# KiCad board badge.kicad_pcb (continued)
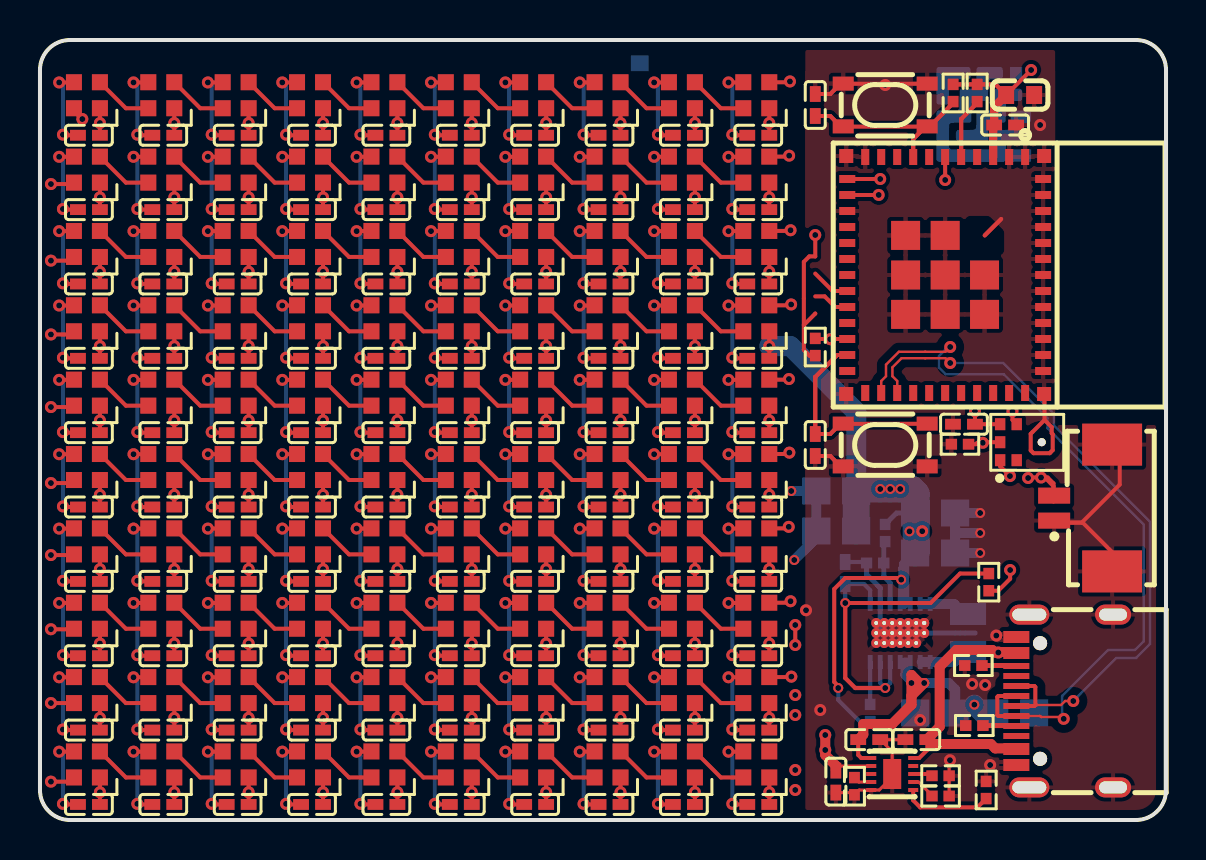
[diagram p0: board, top side]
## Library data of the parts (continued)
C113 = -: Datasheet: https://www.lcsc.com/datasheet/lcsc_datasheet_2304140030_Samsung-Electro-Mechanics-CL05A105KA5NQNC_C52923.pdf; __atopile_lib_fp_hash__: 77ce5adf-3702-77eb-5a03-81a966899838; LCSC: C52923; Manufacturer: Samsung Electro-Mechanics; Partnumber: CL05A105KA5NQNC; PARAM_capacitance: {"type": "Quantity_Interval_Disjoint", "data": {"intervals": {"type": "Numeric_Interval_Disjoint", "data": {"intervals": [{"type": "Numeric_Interval", "data": {"min": 8.99999999e-07, "max": 1.100000001e-06}}]}}, "unit": "farad"}}; PARAM_max_voltage: {"type": "Quantity_Set_Discrete", "data": {"intervals": {"type": "Numeric_Interval_Disjoint", "data": {"intervals": [{"type": "Numeric_Interval", "data": {"min": 25.0, "max": 25.0}}]}}, "unit": "volt"}}; PARAM_temperature_coefficient: {"type": "EnumSet", "data": {"elements": [{"name": "X5R"}], "enum": {"name": "TemperatureCoefficient", "values": {"Y5V": 1, "Z5U": 2, "X7S": 3, "X5R": 4, "X6R": 5, "X7R": 6, "X8R": 7, "C0G": 8}}}}; atopile_address: charger.battery_cap; atopile_subaddresses: [.ato/modules/atopile/ti-bq25185/layouts/default/default.kicad_pcb:battery_cap]
C114 = -: Datasheet: https://www.lcsc.com/datasheet/lcsc_datasheet_2304140030_Samsung-Electro-Mechanics-CL05A105KA5NQNC_C52923.pdf; __atopile_lib_fp_hash__: 77ce5adf-3702-77eb-5a03-81a966899838; LCSC: C52923; Manufacturer: Samsung Electro-Mechanics; Partnumber: CL05A105KA5NQNC; PARAM_capacitance: {"type": "Quantity_Interval_Disjoint", "data": {"intervals": {"type": "Numeric_Interval_Disjoint", "data": {"intervals": [{"type": "Numeric_Interval", "data": {"min": 8.99999999e-07, "max": 1.100000001e-06}}]}}, "unit": "farad"}}; PARAM_max_voltage: {"type": "Quantity_Set_Discrete", "data": {"intervals": {"type": "Numeric_Interval_Disjoint", "data": {"intervals": [{"type": "Numeric_Interval", "data": {"min": 25.0, "max": 25.0}}]}}, "unit": "volt"}}; PARAM_temperature_coefficient: {"type": "EnumSet", "data": {"elements": [{"name": "X5R"}], "enum": {"name": "TemperatureCoefficient", "values": {"Y5V": 1, "Z5U": 2, "X7S": 3, "X5R": 4, "X6R": 5, "X7R": 6, "X8R": 7, "C0G": 8}}}}; atopile_address: charger.input_cap; atopile_subaddresses: [.ato/modules/atopile/ti-bq25185/layouts/default/default.kicad_pcb:input_cap]
C115 = -: Datasheet: https://wmsc.lcsc.com/wmsc/upload/file/pdf/v2/lcsc/2304140030_Murata-Electronics-GRM155R60J106ME44D_C76991.pdf; __atopile_lib_fp_hash__: 58377736-d73b-0a6e-c11e-f0da797e5268; LCSC: C76991; Manufacturer: Murata Electronics; Partnumber: GRM155R60J106ME44D; PARAM_capacitance: {"type": "Quantity_Interval_Disjoint", "data": {"intervals": {"type": "Numeric_Interval_Disjoint", "data": {"intervals": [{"type": "Numeric_Interval", "data": {"min": 7.99999997e-06, "max": 1.200000003e-05}}]}}, "unit": "farad"}}; PARAM_max_voltage: {"type": "Quantity_Set_Discrete", "data": {"intervals": {"type": "Numeric_Interval_Disjoint", "data": {"intervals": [{"type": "Numeric_Interval", "data": {"min": 6.3, "max": 6.3}}]}}, "unit": "volt"}}; PARAM_temperature_coefficient: {"type": "EnumSet", "data": {"elements": [{"name": "X5R"}], "enum": {"name": "TemperatureCoefficient", "values": {"Y5V": 1, "Z5U": 2, "X7S": 3, "X5R": 4, "X6R": 5, "X7R": 6, "X8R": 7, "C0G": 8}}}}; atopile_address: charger.system_cap; atopile_subaddresses: [.ato/modules/atopile/ti-bq25185/layouts/default/default.kicad_pcb:system_cap]
L1 = -: __atopile_lib_fp_hash__: 7ec625f6-3ec7-39f5-ea08-01eadb43cb18; LCSC: C98349; Manufacturer: Sunlord; Partnumber: WPN252012H1R5MT; atopile_address: buck_boost.inductor; atopile_subaddresses: [.ato/modules/atopile/ti-tps63020/layouts/default/default.kicad_pcb:inductor]
LED1 = -: __atopile_lib_fp_hash__: 4bb41053-2596-2733-2332-40ea85995d12; LCSC: C2890036; Manufacturer: OPSCO; Partnumber: SK6805-EC20; atopile_address: led_grid.rows[0].leds[0].package; atopile_subaddresses: [.ato/modules/atopile/addressable-leds/layouts/default/default.kicad_pcb:package, layouts/grid10x10/grid10x10.kicad_pcb:rows[0].leds[0].package, layouts/strip10/strip10.kicad_pcb:leds[0].package]
LED2 = -: __atopile_lib_fp_hash__: 4bb41053-2596-2733-2332-40ea85995d12; LCSC: C2890036; Manufacturer: OPSCO; Partnumber: SK6805-EC20; atopile_address: led_grid.rows[0].leds[1].package; atopile_subaddresses: [.ato/modules/atopile/addressable-leds/layouts/default/default.kicad_pcb:package, layouts/grid10x10/grid10x10.kicad_pcb:rows[0].leds[1].package, layouts/strip10/strip10.kicad_pcb:leds[1].package]
LED3 = -: __atopile_lib_fp_hash__: 4bb41053-2596-2733-2332-40ea85995d12; LCSC: C2890036; Manufacturer: OPSCO; Partnumber: SK6805-EC20; atopile_address: led_grid.rows[0].leds[2].package; atopile_subaddresses: [.ato/modules/atopile/addressable-leds/layouts/default/default.kicad_pcb:package, layouts/grid10x10/grid10x10.kicad_pcb:rows[0].leds[2].package, layouts/strip10/strip10.kicad_pcb:leds[2].package]
LED4 = -: __atopile_lib_fp_hash__: 4bb41053-2596-2733-2332-40ea85995d12; LCSC: C2890036; Manufacturer: OPSCO; Partnumber: SK6805-EC20; atopile_address: led_grid.rows[0].leds[3].package; atopile_subaddresses: [.ato/modules/atopile/addressable-leds/layouts/default/default.kicad_pcb:package, layouts/grid10x10/grid10x10.kicad_pcb:rows[0].leds[3].package, layouts/strip10/strip10.kicad_pcb:leds[3].package]
LED5 = -: __atopile_lib_fp_hash__: 4bb41053-2596-2733-2332-40ea85995d12; LCSC: C2890036; Manufacturer: OPSCO; Partnumber: SK6805-EC20; atopile_address: led_grid.rows[0].leds[4].package; atopile_subaddresses: [.ato/modules/atopile/addressable-leds/layouts/default/default.kicad_pcb:package, layouts/grid10x10/grid10x10.kicad_pcb:rows[0].leds[4].package, layouts/strip10/strip10.kicad_pcb:leds[4].package]
LED6 = -: __atopile_lib_fp_hash__: 4bb41053-2596-2733-2332-40ea85995d12; LCSC: C2890036; Manufacturer: OPSCO; Partnumber: SK6805-EC20; atopile_address: led_grid.rows[0].leds[5].package; atopile_subaddresses: [.ato/modules/atopile/addressable-leds/layouts/default/default.kicad_pcb:package, layouts/grid10x10/grid10x10.kicad_pcb:rows[0].leds[5].package, layouts/strip10/strip10.kicad_pcb:leds[5].package]
LED7 = -: __atopile_lib_fp_hash__: 4bb41053-2596-2733-2332-40ea85995d12; LCSC: C2890036; Manufacturer: OPSCO; Partnumber: SK6805-EC20; atopile_address: led_grid.rows[0].leds[6].package; atopile_subaddresses: [.ato/modules/atopile/addressable-leds/layouts/default/default.kicad_pcb:package, layouts/grid10x10/grid10x10.kicad_pcb:rows[0].leds[6].package, layouts/strip10/strip10.kicad_pcb:leds[6].package]
LED8 = -: __atopile_lib_fp_hash__: 4bb41053-2596-2733-2332-40ea85995d12; LCSC: C2890036; Manufacturer: OPSCO; Partnumber: SK6805-EC20; atopile_address: led_grid.rows[0].leds[7].package; atopile_subaddresses: [.ato/modules/atopile/addressable-leds/layouts/default/default.kicad_pcb:package, layouts/grid10x10/grid10x10.kicad_pcb:rows[0].leds[7].package, layouts/strip10/strip10.kicad_pcb:leds[7].package]
LED9 = -: __atopile_lib_fp_hash__: 4bb41053-2596-2733-2332-40ea85995d12; LCSC: C2890036; Manufacturer: OPSCO; Partnumber: SK6805-EC20; atopile_address: led_grid.rows[0].leds[8].package; atopile_subaddresses: [.ato/modules/atopile/addressable-leds/layouts/default/default.kicad_pcb:package, layouts/grid10x10/grid10x10.kicad_pcb:rows[0].leds[8].package, layouts/strip10/strip10.kicad_pcb:leds[8].package]
LED10 = -: __atopile_lib_fp_hash__: 4bb41053-2596-2733-2332-40ea85995d12; LCSC: C2890036; Manufacturer: OPSCO; Partnumber: SK6805-EC20; atopile_address: led_grid.rows[0].leds[9].package; atopile_subaddresses: [.ato/modules/atopile/addressable-leds/layouts/default/default.kicad_pcb:package, layouts/grid10x10/grid10x10.kicad_pcb:rows[0].leds[9].package, layouts/strip10/strip10.kicad_pcb:leds[9].package]
LED11 = -: __atopile_lib_fp_hash__: 4bb41053-2596-2733-2332-40ea85995d12; LCSC: C2890036; Manufacturer: OPSCO; Partnumber: SK6805-EC20; atopile_address: led_grid.rows[1].leds[0].package; atopile_subaddresses: [.ato/modules/atopile/addressable-leds/layouts/default/default.kicad_pcb:package, layouts/grid10x10/grid10x10.kicad_pcb:rows[1].leds[0].package, layouts/strip10/strip10.kicad_pcb:leds[0].package]
LED12 = -: __atopile_lib_fp_hash__: 4bb41053-2596-2733-2332-40ea85995d12; LCSC: C2890036; Manufacturer: OPSCO; Partnumber: SK6805-EC20; atopile_address: led_grid.rows[1].leds[1].package; atopile_subaddresses: [.ato/modules/atopile/addressable-leds/layouts/default/default.kicad_pcb:package, layouts/grid10x10/grid10x10.kicad_pcb:rows[1].leds[1].package, layouts/strip10/strip10.kicad_pcb:leds[1].package]
LED13 = -: __atopile_lib_fp_hash__: 4bb41053-2596-2733-2332-40ea85995d12; LCSC: C2890036; Manufacturer: OPSCO; Partnumber: SK6805-EC20; atopile_address: led_grid.rows[1].leds[2].package; atopile_subaddresses: [.ato/modules/atopile/addressable-leds/layouts/default/default.kicad_pcb:package, layouts/grid10x10/grid10x10.kicad_pcb:rows[1].leds[2].package, layouts/strip10/strip10.kicad_pcb:leds[2].package]
LED14 = -: __atopile_lib_fp_hash__: 4bb41053-2596-2733-2332-40ea85995d12; LCSC: C2890036; Manufacturer: OPSCO; Partnumber: SK6805-EC20; atopile_address: led_grid.rows[1].leds[3].package; atopile_subaddresses: [.ato/modules/atopile/addressable-leds/layouts/default/default.kicad_pcb:package, layouts/grid10x10/grid10x10.kicad_pcb:rows[1].leds[3].package, layouts/strip10/strip10.kicad_pcb:leds[3].package]
LED15 = -: __atopile_lib_fp_hash__: 4bb41053-2596-2733-2332-40ea85995d12; LCSC: C2890036; Manufacturer: OPSCO; Partnumber: SK6805-EC20; atopile_address: led_grid.rows[1].leds[4].package; atopile_subaddresses: [.ato/modules/atopile/addressable-leds/layouts/default/default.kicad_pcb:package, layouts/grid10x10/grid10x10.kicad_pcb:rows[1].leds[4].package, layouts/strip10/strip10.kicad_pcb:leds[4].package]
LED16 = -: __atopile_lib_fp_hash__: 4bb41053-2596-2733-2332-40ea85995d12; LCSC: C2890036; Manufacturer: OPSCO; Partnumber: SK6805-EC20; atopile_address: led_grid.rows[1].leds[5].package; atopile_subaddresses: [.ato/modules/atopile/addressable-leds/layouts/default/default.kicad_pcb:package, layouts/grid10x10/grid10x10.kicad_pcb:rows[1].leds[5].package, layouts/strip10/strip10.kicad_pcb:leds[5].package]
LED17 = -: __atopile_lib_fp_hash__: 4bb41053-2596-2733-2332-40ea85995d12; LCSC: C2890036; Manufacturer: OPSCO; Partnumber: SK6805-EC20; atopile_address: led_grid.rows[1].leds[6].package; atopile_subaddresses: [.ato/modules/atopile/addressable-leds/layouts/default/default.kicad_pcb:package, layouts/grid10x10/grid10x10.kicad_pcb:rows[1].leds[6].package, layouts/strip10/strip10.kicad_pcb:leds[6].package]
LED18 = -: __atopile_lib_fp_hash__: 4bb41053-2596-2733-2332-40ea85995d12; LCSC: C2890036; Manufacturer: OPSCO; Partnumber: SK6805-EC20; atopile_address: led_grid.rows[1].leds[7].package; atopile_subaddresses: [.ato/modules/atopile/addressable-leds/layouts/default/default.kicad_pcb:package, layouts/grid10x10/grid10x10.kicad_pcb:rows[1].leds[7].package, layouts/strip10/strip10.kicad_pcb:leds[7].package]
LED19 = -: __atopile_lib_fp_hash__: 4bb41053-2596-2733-2332-40ea85995d12; LCSC: C2890036; Manufacturer: OPSCO; Partnumber: SK6805-EC20; atopile_address: led_grid.rows[1].leds[8].package; atopile_subaddresses: [.ato/modules/atopile/addressable-leds/layouts/default/default.kicad_pcb:package, layouts/grid10x10/grid10x10.kicad_pcb:rows[1].leds[8].package, layouts/strip10/strip10.kicad_pcb:leds[8].package]
LED20 = -: __atopile_lib_fp_hash__: 4bb41053-2596-2733-2332-40ea85995d12; LCSC: C2890036; Manufacturer: OPSCO; Partnumber: SK6805-EC20; atopile_address: led_grid.rows[1].leds[9].package; atopile_subaddresses: [.ato/modules/atopile/addressable-leds/layouts/default/default.kicad_pcb:package, layouts/grid10x10/grid10x10.kicad_pcb:rows[1].leds[9].package, layouts/strip10/strip10.kicad_pcb:leds[9].package]
LED21 = -: __atopile_lib_fp_hash__: 4bb41053-2596-2733-2332-40ea85995d12; LCSC: C2890036; Manufacturer: OPSCO; Partnumber: SK6805-EC20; atopile_address: led_grid.rows[2].leds[0].package; atopile_subaddresses: [.ato/modules/atopile/addressable-leds/layouts/default/default.kicad_pcb:package, layouts/grid10x10/grid10x10.kicad_pcb:rows[2].leds[0].package, layouts/strip10/strip10.kicad_pcb:leds[0].package]
LED22 = -: __atopile_lib_fp_hash__: 4bb41053-2596-2733-2332-40ea85995d12; LCSC: C2890036; Manufacturer: OPSCO; Partnumber: SK6805-EC20; atopile_address: led_grid.rows[2].leds[1].package; atopile_subaddresses: [.ato/modules/atopile/addressable-leds/layouts/default/default.kicad_pcb:package, layouts/grid10x10/grid10x10.kicad_pcb:rows[2].leds[1].package, layouts/strip10/strip10.kicad_pcb:leds[1].package]
LED23 = -: __atopile_lib_fp_hash__: 4bb41053-2596-2733-2332-40ea85995d12; LCSC: C2890036; Manufacturer: OPSCO; Partnumber: SK6805-EC20; atopile_address: led_grid.rows[2].leds[2].package; atopile_subaddresses: [.ato/modules/atopile/addressable-leds/layouts/default/default.kicad_pcb:package, layouts/grid10x10/grid10x10.kicad_pcb:rows[2].leds[2].package, layouts/strip10/strip10.kicad_pcb:leds[2].package]
LED24 = -: __atopile_lib_fp_hash__: 4bb41053-2596-2733-2332-40ea85995d12; LCSC: C2890036; Manufacturer: OPSCO; Partnumber: SK6805-EC20; atopile_address: led_grid.rows[2].leds[3].package; atopile_subaddresses: [.ato/modules/atopile/addressable-leds/layouts/default/default.kicad_pcb:package, layouts/grid10x10/grid10x10.kicad_pcb:rows[2].leds[3].package, layouts/strip10/strip10.kicad_pcb:leds[3].package]
LED25 = -: __atopile_lib_fp_hash__: 4bb41053-2596-2733-2332-40ea85995d12; LCSC: C2890036; Manufacturer: OPSCO; Partnumber: SK6805-EC20; atopile_address: led_grid.rows[2].leds[4].package; atopile_subaddresses: [.ato/modules/atopile/addressable-leds/layouts/default/default.kicad_pcb:package, layouts/grid10x10/grid10x10.kicad_pcb:rows[2].leds[4].package, layouts/strip10/strip10.kicad_pcb:leds[4].package]
LED26 = -: __atopile_lib_fp_hash__: 4bb41053-2596-2733-2332-40ea85995d12; LCSC: C2890036; Manufacturer: OPSCO; Partnumber: SK6805-EC20; atopile_address: led_grid.rows[2].leds[5].package; atopile_subaddresses: [.ato/modules/atopile/addressable-leds/layouts/default/default.kicad_pcb:package, layouts/grid10x10/grid10x10.kicad_pcb:rows[2].leds[5].package, layouts/strip10/strip10.kicad_pcb:leds[5].package]
LED27 = -: __atopile_lib_fp_hash__: 4bb41053-2596-2733-2332-40ea85995d12; LCSC: C2890036; Manufacturer: OPSCO; Partnumber: SK6805-EC20; atopile_address: led_grid.rows[2].leds[6].package; atopile_subaddresses: [.ato/modules/atopile/addressable-leds/layouts/default/default.kicad_pcb:package, layouts/grid10x10/grid10x10.kicad_pcb:rows[2].leds[6].package, layouts/strip10/strip10.kicad_pcb:leds[6].package]
LED28 = -: __atopile_lib_fp_hash__: 4bb41053-2596-2733-2332-40ea85995d12; LCSC: C2890036; Manufacturer: OPSCO; Partnumber: SK6805-EC20; atopile_address: led_grid.rows[2].leds[7].package; atopile_subaddresses: [.ato/modules/atopile/addressable-leds/layouts/default/default.kicad_pcb:package, layouts/grid10x10/grid10x10.kicad_pcb:rows[2].leds[7].package, layouts/strip10/strip10.kicad_pcb:leds[7].package]
LED29 = -: __atopile_lib_fp_hash__: 4bb41053-2596-2733-2332-40ea85995d12; LCSC: C2890036; Manufacturer: OPSCO; Partnumber: SK6805-EC20; atopile_address: led_grid.rows[2].leds[8].package; atopile_subaddresses: [.ato/modules/atopile/addressable-leds/layouts/default/default.kicad_pcb:package, layouts/grid10x10/grid10x10.kicad_pcb:rows[2].leds[8].package, layouts/strip10/strip10.kicad_pcb:leds[8].package]
LED30 = -: __atopile_lib_fp_hash__: 4bb41053-2596-2733-2332-40ea85995d12; LCSC: C2890036; Manufacturer: OPSCO; Partnumber: SK6805-EC20; atopile_address: led_grid.rows[2].leds[9].package; atopile_subaddresses: [.ato/modules/atopile/addressable-leds/layouts/default/default.kicad_pcb:package, layouts/grid10x10/grid10x10.kicad_pcb:rows[2].leds[9].package, layouts/strip10/strip10.kicad_pcb:leds[9].package]
LED31 = -: __atopile_lib_fp_hash__: 4bb41053-2596-2733-2332-40ea85995d12; LCSC: C2890036; Manufacturer: OPSCO; Partnumber: SK6805-EC20; atopile_address: led_grid.rows[3].leds[0].package; atopile_subaddresses: [.ato/modules/atopile/addressable-leds/layouts/default/default.kicad_pcb:package, layouts/grid10x10/grid10x10.kicad_pcb:rows[3].leds[0].package, layouts/strip10/strip10.kicad_pcb:leds[0].package]
LED32 = -: __atopile_lib_fp_hash__: 4bb41053-2596-2733-2332-40ea85995d12; LCSC: C2890036; Manufacturer: OPSCO; Partnumber: SK6805-EC20; atopile_address: led_grid.rows[3].leds[1].package; atopile_subaddresses: [.ato/modules/atopile/addressable-leds/layouts/default/default.kicad_pcb:package, layouts/grid10x10/grid10x10.kicad_pcb:rows[3].leds[1].package, layouts/strip10/strip10.kicad_pcb:leds[1].package]
LED33 = -: __atopile_lib_fp_hash__: 4bb41053-2596-2733-2332-40ea85995d12; LCSC: C2890036; Manufacturer: OPSCO; Partnumber: SK6805-EC20; atopile_address: led_grid.rows[3].leds[2].package; atopile_subaddresses: [.ato/modules/atopile/addressable-leds/layouts/default/default.kicad_pcb:package, layouts/grid10x10/grid10x10.kicad_pcb:rows[3].leds[2].package, layouts/strip10/strip10.kicad_pcb:leds[2].package]
LED34 = -: __atopile_lib_fp_hash__: 4bb41053-2596-2733-2332-40ea85995d12; LCSC: C2890036; Manufacturer: OPSCO; Partnumber: SK6805-EC20; atopile_address: led_grid.rows[3].leds[3].package; atopile_subaddresses: [.ato/modules/atopile/addressable-leds/layouts/default/default.kicad_pcb:package, layouts/grid10x10/grid10x10.kicad_pcb:rows[3].leds[3].package, layouts/strip10/strip10.kicad_pcb:leds[3].package]
LED35 = -: __atopile_lib_fp_hash__: 4bb41053-2596-2733-2332-40ea85995d12; LCSC: C2890036; Manufacturer: OPSCO; Partnumber: SK6805-EC20; atopile_address: led_grid.rows[3].leds[4].package; atopile_subaddresses: [.ato/modules/atopile/addressable-leds/layouts/default/default.kicad_pcb:package, layouts/grid10x10/grid10x10.kicad_pcb:rows[3].leds[4].package, layouts/strip10/strip10.kicad_pcb:leds[4].package]
LED36 = -: __atopile_lib_fp_hash__: 4bb41053-2596-2733-2332-40ea85995d12; LCSC: C2890036; Manufacturer: OPSCO; Partnumber: SK6805-EC20; atopile_address: led_grid.rows[3].leds[5].package; atopile_subaddresses: [.ato/modules/atopile/addressable-leds/layouts/default/default.kicad_pcb:package, layouts/grid10x10/grid10x10.kicad_pcb:rows[3].leds[5].package, layouts/strip10/strip10.kicad_pcb:leds[5].package]
LED37 = -: __atopile_lib_fp_hash__: 4bb41053-2596-2733-2332-40ea85995d12; LCSC: C2890036; Manufacturer: OPSCO; Partnumber: SK6805-EC20; atopile_address: led_grid.rows[3].leds[6].package; atopile_subaddresses: [.ato/modules/atopile/addressable-leds/layouts/default/default.kicad_pcb:package, layouts/grid10x10/grid10x10.kicad_pcb:rows[3].leds[6].package, layouts/strip10/strip10.kicad_pcb:leds[6].package]
LED38 = -: __atopile_lib_fp_hash__: 4bb41053-2596-2733-2332-40ea85995d12; LCSC: C2890036; Manufacturer: OPSCO; Partnumber: SK6805-EC20; atopile_address: led_grid.rows[3].leds[7].package; atopile_subaddresses: [.ato/modules/atopile/addressable-leds/layouts/default/default.kicad_pcb:package, layouts/grid10x10/grid10x10.kicad_pcb:rows[3].leds[7].package, layouts/strip10/strip10.kicad_pcb:leds[7].package]
LED39 = -: __atopile_lib_fp_hash__: 4bb41053-2596-2733-2332-40ea85995d12; LCSC: C2890036; Manufacturer: OPSCO; Partnumber: SK6805-EC20; atopile_address: led_grid.rows[3].leds[8].package; atopile_subaddresses: [.ato/modules/atopile/addressable-leds/layouts/default/default.kicad_pcb:package, layouts/grid10x10/grid10x10.kicad_pcb:rows[3].leds[8].package, layouts/strip10/strip10.kicad_pcb:leds[8].package]
LED40 = -: __atopile_lib_fp_hash__: 4bb41053-2596-2733-2332-40ea85995d12; LCSC: C2890036; Manufacturer: OPSCO; Partnumber: SK6805-EC20; atopile_address: led_grid.rows[3].leds[9].package; atopile_subaddresses: [.ato/modules/atopile/addressable-leds/layouts/default/default.kicad_pcb:package, layouts/grid10x10/grid10x10.kicad_pcb:rows[3].leds[9].package, layouts/strip10/strip10.kicad_pcb:leds[9].package]
LED41 = -: __atopile_lib_fp_hash__: 4bb41053-2596-2733-2332-40ea85995d12; LCSC: C2890036; Manufacturer: OPSCO; Partnumber: SK6805-EC20; atopile_address: led_grid.rows[4].leds[0].package; atopile_subaddresses: [.ato/modules/atopile/addressable-leds/layouts/default/default.kicad_pcb:package, layouts/grid10x10/grid10x10.kicad_pcb:rows[4].leds[0].package, layouts/strip10/strip10.kicad_pcb:leds[0].package]
LED42 = -: __atopile_lib_fp_hash__: 4bb41053-2596-2733-2332-40ea85995d12; LCSC: C2890036; Manufacturer: OPSCO; Partnumber: SK6805-EC20; atopile_address: led_grid.rows[4].leds[1].package; atopile_subaddresses: [.ato/modules/atopile/addressable-leds/layouts/default/default.kicad_pcb:package, layouts/grid10x10/grid10x10.kicad_pcb:rows[4].leds[1].package, layouts/strip10/strip10.kicad_pcb:leds[1].package]
LED43 = -: __atopile_lib_fp_hash__: 4bb41053-2596-2733-2332-40ea85995d12; LCSC: C2890036; Manufacturer: OPSCO; Partnumber: SK6805-EC20; atopile_address: led_grid.rows[4].leds[2].package; atopile_subaddresses: [.ato/modules/atopile/addressable-leds/layouts/default/default.kicad_pcb:package, layouts/grid10x10/grid10x10.kicad_pcb:rows[4].leds[2].package, layouts/strip10/strip10.kicad_pcb:leds[2].package]
LED44 = -: __atopile_lib_fp_hash__: 4bb41053-2596-2733-2332-40ea85995d12; LCSC: C2890036; Manufacturer: OPSCO; Partnumber: SK6805-EC20; atopile_address: led_grid.rows[4].leds[3].package; atopile_subaddresses: [.ato/modules/atopile/addressable-leds/layouts/default/default.kicad_pcb:package, layouts/grid10x10/grid10x10.kicad_pcb:rows[4].leds[3].package, layouts/strip10/strip10.kicad_pcb:leds[3].package]
LED45 = -: __atopile_lib_fp_hash__: 4bb41053-2596-2733-2332-40ea85995d12; LCSC: C2890036; Manufacturer: OPSCO; Partnumber: SK6805-EC20; atopile_address: led_grid.rows[4].leds[4].package; atopile_subaddresses: [.ato/modules/atopile/addressable-leds/layouts/default/default.kicad_pcb:package, layouts/grid10x10/grid10x10.kicad_pcb:rows[4].leds[4].package, layouts/strip10/strip10.kicad_pcb:leds[4].package]
LED46 = -: __atopile_lib_fp_hash__: 4bb41053-2596-2733-2332-40ea85995d12; LCSC: C2890036; Manufacturer: OPSCO; Partnumber: SK6805-EC20; atopile_address: led_grid.rows[4].leds[5].package; atopile_subaddresses: [.ato/modules/atopile/addressable-leds/layouts/default/default.kicad_pcb:package, layouts/grid10x10/grid10x10.kicad_pcb:rows[4].leds[5].package, layouts/strip10/strip10.kicad_pcb:leds[5].package]
LED47 = -: __atopile_lib_fp_hash__: 4bb41053-2596-2733-2332-40ea85995d12; LCSC: C2890036; Manufacturer: OPSCO; Partnumber: SK6805-EC20; atopile_address: led_grid.rows[4].leds[6].package; atopile_subaddresses: [.ato/modules/atopile/addressable-leds/layouts/default/default.kicad_pcb:package, layouts/grid10x10/grid10x10.kicad_pcb:rows[4].leds[6].package, layouts/strip10/strip10.kicad_pcb:leds[6].package]
LED48 = -: __atopile_lib_fp_hash__: 4bb41053-2596-2733-2332-40ea85995d12; LCSC: C2890036; Manufacturer: OPSCO; Partnumber: SK6805-EC20; atopile_address: led_grid.rows[4].leds[7].package; atopile_subaddresses: [.ato/modules/atopile/addressable-leds/layouts/default/default.kicad_pcb:package, layouts/grid10x10/grid10x10.kicad_pcb:rows[4].leds[7].package, layouts/strip10/strip10.kicad_pcb:leds[7].package]
LED49 = -: __atopile_lib_fp_hash__: 4bb41053-2596-2733-2332-40ea85995d12; LCSC: C2890036; Manufacturer: OPSCO; Partnumber: SK6805-EC20; atopile_address: led_grid.rows[4].leds[8].package; atopile_subaddresses: [.ato/modules/atopile/addressable-leds/layouts/default/default.kicad_pcb:package, layouts/grid10x10/grid10x10.kicad_pcb:rows[4].leds[8].package, layouts/strip10/strip10.kicad_pcb:leds[8].package]
LED50 = -: __atopile_lib_fp_hash__: 4bb41053-2596-2733-2332-40ea85995d12; LCSC: C2890036; Manufacturer: OPSCO; Partnumber: SK6805-EC20; atopile_address: led_grid.rows[4].leds[9].package; atopile_subaddresses: [.ato/modules/atopile/addressable-leds/layouts/default/default.kicad_pcb:package, layouts/grid10x10/grid10x10.kicad_pcb:rows[4].leds[9].package, layouts/strip10/strip10.kicad_pcb:leds[9].package]
LED51 = -: __atopile_lib_fp_hash__: 4bb41053-2596-2733-2332-40ea85995d12; LCSC: C2890036; Manufacturer: OPSCO; Partnumber: SK6805-EC20; atopile_address: led_grid.rows[5].leds[0].package; atopile_subaddresses: [.ato/modules/atopile/addressable-leds/layouts/default/default.kicad_pcb:package, layouts/grid10x10/grid10x10.kicad_pcb:rows[5].leds[0].package, layouts/strip10/strip10.kicad_pcb:leds[0].package]
LED52 = -: __atopile_lib_fp_hash__: 4bb41053-2596-2733-2332-40ea85995d12; LCSC: C2890036; Manufacturer: OPSCO; Partnumber: SK6805-EC20; atopile_address: led_grid.rows[5].leds[1].package; atopile_subaddresses: [.ato/modules/atopile/addressable-leds/layouts/default/default.kicad_pcb:package, layouts/grid10x10/grid10x10.kicad_pcb:rows[5].leds[1].package, layouts/strip10/strip10.kicad_pcb:leds[1].package]
LED53 = -: __atopile_lib_fp_hash__: 4bb41053-2596-2733-2332-40ea85995d12; LCSC: C2890036; Manufacturer: OPSCO; Partnumber: SK6805-EC20; atopile_address: led_grid.rows[5].leds[2].package; atopile_subaddresses: [.ato/modules/atopile/addressable-leds/layouts/default/default.kicad_pcb:package, layouts/grid10x10/grid10x10.kicad_pcb:rows[5].leds[2].package, layouts/strip10/strip10.kicad_pcb:leds[2].package]
LED54 = -: __atopile_lib_fp_hash__: 4bb41053-2596-2733-2332-40ea85995d12; LCSC: C2890036; Manufacturer: OPSCO; Partnumber: SK6805-EC20; atopile_address: led_grid.rows[5].leds[3].package; atopile_subaddresses: [.ato/modules/atopile/addressable-leds/layouts/default/default.kicad_pcb:package, layouts/grid10x10/grid10x10.kicad_pcb:rows[5].leds[3].package, layouts/strip10/strip10.kicad_pcb:leds[3].package]
LED55 = -: __atopile_lib_fp_hash__: 4bb41053-2596-2733-2332-40ea85995d12; LCSC: C2890036; Manufacturer: OPSCO; Partnumber: SK6805-EC20; atopile_address: led_grid.rows[5].leds[4].package; atopile_subaddresses: [.ato/modules/atopile/addressable-leds/layouts/default/default.kicad_pcb:package, layouts/grid10x10/grid10x10.kicad_pcb:rows[5].leds[4].package, layouts/strip10/strip10.kicad_pcb:leds[4].package]
LED56 = -: __atopile_lib_fp_hash__: 4bb41053-2596-2733-2332-40ea85995d12; LCSC: C2890036; Manufacturer: OPSCO; Partnumber: SK6805-EC20; atopile_address: led_grid.rows[5].leds[5].package; atopile_subaddresses: [.ato/modules/atopile/addressable-leds/layouts/default/default.kicad_pcb:package, layouts/grid10x10/grid10x10.kicad_pcb:rows[5].leds[5].package, layouts/strip10/strip10.kicad_pcb:leds[5].package]
LED57 = -: __atopile_lib_fp_hash__: 4bb41053-2596-2733-2332-40ea85995d12; LCSC: C2890036; Manufacturer: OPSCO; Partnumber: SK6805-EC20; atopile_address: led_grid.rows[5].leds[6].package; atopile_subaddresses: [.ato/modules/atopile/addressable-leds/layouts/default/default.kicad_pcb:package, layouts/grid10x10/grid10x10.kicad_pcb:rows[5].leds[6].package, layouts/strip10/strip10.kicad_pcb:leds[6].package]
LED58 = -: __atopile_lib_fp_hash__: 4bb41053-2596-2733-2332-40ea85995d12; LCSC: C2890036; Manufacturer: OPSCO; Partnumber: SK6805-EC20; atopile_address: led_grid.rows[5].leds[7].package; atopile_subaddresses: [.ato/modules/atopile/addressable-leds/layouts/default/default.kicad_pcb:package, layouts/grid10x10/grid10x10.kicad_pcb:rows[5].leds[7].package, layouts/strip10/strip10.kicad_pcb:leds[7].package]
LED59 = -: __atopile_lib_fp_hash__: 4bb41053-2596-2733-2332-40ea85995d12; LCSC: C2890036; Manufacturer: OPSCO; Partnumber: SK6805-EC20; atopile_address: led_grid.rows[5].leds[8].package; atopile_subaddresses: [.ato/modules/atopile/addressable-leds/layouts/default/default.kicad_pcb:package, layouts/grid10x10/grid10x10.kicad_pcb:rows[5].leds[8].package, layouts/strip10/strip10.kicad_pcb:leds[8].package]
LED60 = -: __atopile_lib_fp_hash__: 4bb41053-2596-2733-2332-40ea85995d12; LCSC: C2890036; Manufacturer: OPSCO; Partnumber: SK6805-EC20; atopile_address: led_grid.rows[5].leds[9].package; atopile_subaddresses: [.ato/modules/atopile/addressable-leds/layouts/default/default.kicad_pcb:package, layouts/grid10x10/grid10x10.kicad_pcb:rows[5].leds[9].package, layouts/strip10/strip10.kicad_pcb:leds[9].package]
LED61 = -: __atopile_lib_fp_hash__: 4bb41053-2596-2733-2332-40ea85995d12; LCSC: C2890036; Manufacturer: OPSCO; Partnumber: SK6805-EC20; atopile_address: led_grid.rows[6].leds[0].package; atopile_subaddresses: [.ato/modules/atopile/addressable-leds/layouts/default/default.kicad_pcb:package, layouts/grid10x10/grid10x10.kicad_pcb:rows[6].leds[0].package, layouts/strip10/strip10.kicad_pcb:leds[0].package]
LED62 = -: __atopile_lib_fp_hash__: 4bb41053-2596-2733-2332-40ea85995d12; LCSC: C2890036; Manufacturer: OPSCO; Partnumber: SK6805-EC20; atopile_address: led_grid.rows[6].leds[1].package; atopile_subaddresses: [.ato/modules/atopile/addressable-leds/layouts/default/default.kicad_pcb:package, layouts/grid10x10/grid10x10.kicad_pcb:rows[6].leds[1].package, layouts/strip10/strip10.kicad_pcb:leds[1].package]
LED63 = -: __atopile_lib_fp_hash__: 4bb41053-2596-2733-2332-40ea85995d12; LCSC: C2890036; Manufacturer: OPSCO; Partnumber: SK6805-EC20; atopile_address: led_grid.rows[6].leds[2].package; atopile_subaddresses: [.ato/modules/atopile/addressable-leds/layouts/default/default.kicad_pcb:package, layouts/grid10x10/grid10x10.kicad_pcb:rows[6].leds[2].package, layouts/strip10/strip10.kicad_pcb:leds[2].package]
LED64 = -: __atopile_lib_fp_hash__: 4bb41053-2596-2733-2332-40ea85995d12; LCSC: C2890036; Manufacturer: OPSCO; Partnumber: SK6805-EC20; atopile_address: led_grid.rows[6].leds[3].package; atopile_subaddresses: [.ato/modules/atopile/addressable-leds/layouts/default/default.kicad_pcb:package, layouts/grid10x10/grid10x10.kicad_pcb:rows[6].leds[3].package, layouts/strip10/strip10.kicad_pcb:leds[3].package]
LED65 = -: __atopile_lib_fp_hash__: 4bb41053-2596-2733-2332-40ea85995d12; LCSC: C2890036; Manufacturer: OPSCO; Partnumber: SK6805-EC20; atopile_address: led_grid.rows[6].leds[4].package; atopile_subaddresses: [.ato/modules/atopile/addressable-leds/layouts/default/default.kicad_pcb:package, layouts/grid10x10/grid10x10.kicad_pcb:rows[6].leds[4].package, layouts/strip10/strip10.kicad_pcb:leds[4].package]
LED66 = -: __atopile_lib_fp_hash__: 4bb41053-2596-2733-2332-40ea85995d12; LCSC: C2890036; Manufacturer: OPSCO; Partnumber: SK6805-EC20; atopile_address: led_grid.rows[6].leds[5].package; atopile_subaddresses: [.ato/modules/atopile/addressable-leds/layouts/default/default.kicad_pcb:package, layouts/grid10x10/grid10x10.kicad_pcb:rows[6].leds[5].package, layouts/strip10/strip10.kicad_pcb:leds[5].package]
LED67 = -: __atopile_lib_fp_hash__: 4bb41053-2596-2733-2332-40ea85995d12; LCSC: C2890036; Manufacturer: OPSCO; Partnumber: SK6805-EC20; atopile_address: led_grid.rows[6].leds[6].package; atopile_subaddresses: [.ato/modules/atopile/addressable-leds/layouts/default/default.kicad_pcb:package, layouts/grid10x10/grid10x10.kicad_pcb:rows[6].leds[6].package, layouts/strip10/strip10.kicad_pcb:leds[6].package]
LED68 = -: __atopile_lib_fp_hash__: 4bb41053-2596-2733-2332-40ea85995d12; LCSC: C2890036; Manufacturer: OPSCO; Partnumber: SK6805-EC20; atopile_address: led_grid.rows[6].leds[7].package; atopile_subaddresses: [.ato/modules/atopile/addressable-leds/layouts/default/default.kicad_pcb:package, layouts/grid10x10/grid10x10.kicad_pcb:rows[6].leds[7].package, layouts/strip10/strip10.kicad_pcb:leds[7].package]
LED69 = -: __atopile_lib_fp_hash__: 4bb41053-2596-2733-2332-40ea85995d12; LCSC: C2890036; Manufacturer: OPSCO; Partnumber: SK6805-EC20; atopile_address: led_grid.rows[6].leds[8].package; atopile_subaddresses: [.ato/modules/atopile/addressable-leds/layouts/default/default.kicad_pcb:package, layouts/grid10x10/grid10x10.kicad_pcb:rows[6].leds[8].package, layouts/strip10/strip10.kicad_pcb:leds[8].package]
LED70 = -: __atopile_lib_fp_hash__: 4bb41053-2596-2733-2332-40ea85995d12; LCSC: C2890036; Manufacturer: OPSCO; Partnumber: SK6805-EC20; atopile_address: led_grid.rows[6].leds[9].package; atopile_subaddresses: [.ato/modules/atopile/addressable-leds/layouts/default/default.kicad_pcb:package, layouts/grid10x10/grid10x10.kicad_pcb:rows[6].leds[9].package, layouts/strip10/strip10.kicad_pcb:leds[9].package]
LED71 = -: __atopile_lib_fp_hash__: 4bb41053-2596-2733-2332-40ea85995d12; LCSC: C2890036; Manufacturer: OPSCO; Partnumber: SK6805-EC20; atopile_address: led_grid.rows[7].leds[0].package; atopile_subaddresses: [.ato/modules/atopile/addressable-leds/layouts/default/default.kicad_pcb:package, layouts/grid10x10/grid10x10.kicad_pcb:rows[7].leds[0].package, layouts/strip10/strip10.kicad_pcb:leds[0].package]
LED72 = -: __atopile_lib_fp_hash__: 4bb41053-2596-2733-2332-40ea85995d12; LCSC: C2890036; Manufacturer: OPSCO; Partnumber: SK6805-EC20; atopile_address: led_grid.rows[7].leds[1].package; atopile_subaddresses: [.ato/modules/atopile/addressable-leds/layouts/default/default.kicad_pcb:package, layouts/grid10x10/grid10x10.kicad_pcb:rows[7].leds[1].package, layouts/strip10/strip10.kicad_pcb:leds[1].package]
LED73 = -: __atopile_lib_fp_hash__: 4bb41053-2596-2733-2332-40ea85995d12; LCSC: C2890036; Manufacturer: OPSCO; Partnumber: SK6805-EC20; atopile_address: led_grid.rows[7].leds[2].package; atopile_subaddresses: [.ato/modules/atopile/addressable-leds/layouts/default/default.kicad_pcb:package, layouts/grid10x10/grid10x10.kicad_pcb:rows[7].leds[2].package, layouts/strip10/strip10.kicad_pcb:leds[2].package]
LED74 = -: __atopile_lib_fp_hash__: 4bb41053-2596-2733-2332-40ea85995d12; LCSC: C2890036; Manufacturer: OPSCO; Partnumber: SK6805-EC20; atopile_address: led_grid.rows[7].leds[3].package; atopile_subaddresses: [.ato/modules/atopile/addressable-leds/layouts/default/default.kicad_pcb:package, layouts/grid10x10/grid10x10.kicad_pcb:rows[7].leds[3].package, layouts/strip10/strip10.kicad_pcb:leds[3].package]
LED75 = -: __atopile_lib_fp_hash__: 4bb41053-2596-2733-2332-40ea85995d12; LCSC: C2890036; Manufacturer: OPSCO; Partnumber: SK6805-EC20; atopile_address: led_grid.rows[7].leds[4].package; atopile_subaddresses: [.ato/modules/atopile/addressable-leds/layouts/default/default.kicad_pcb:package, layouts/grid10x10/grid10x10.kicad_pcb:rows[7].leds[4].package, layouts/strip10/strip10.kicad_pcb:leds[4].package]
LED76 = -: __atopile_lib_fp_hash__: 4bb41053-2596-2733-2332-40ea85995d12; LCSC: C2890036; Manufacturer: OPSCO; Partnumber: SK6805-EC20; atopile_address: led_grid.rows[7].leds[5].package; atopile_subaddresses: [.ato/modules/atopile/addressable-leds/layouts/default/default.kicad_pcb:package, layouts/grid10x10/grid10x10.kicad_pcb:rows[7].leds[5].package, layouts/strip10/strip10.kicad_pcb:leds[5].package]
LED77 = -: __atopile_lib_fp_hash__: 4bb41053-2596-2733-2332-40ea85995d12; LCSC: C2890036; Manufacturer: OPSCO; Partnumber: SK6805-EC20; atopile_address: led_grid.rows[7].leds[6].package; atopile_subaddresses: [.ato/modules/atopile/addressable-leds/layouts/default/default.kicad_pcb:package, layouts/grid10x10/grid10x10.kicad_pcb:rows[7].leds[6].package, layouts/strip10/strip10.kicad_pcb:leds[6].package]
LED78 = -: __atopile_lib_fp_hash__: 4bb41053-2596-2733-2332-40ea85995d12; LCSC: C2890036; Manufacturer: OPSCO; Partnumber: SK6805-EC20; atopile_address: led_grid.rows[7].leds[7].package; atopile_subaddresses: [.ato/modules/atopile/addressable-leds/layouts/default/default.kicad_pcb:package, layouts/grid10x10/grid10x10.kicad_pcb:rows[7].leds[7].package, layouts/strip10/strip10.kicad_pcb:leds[7].package]
LED79 = -: __atopile_lib_fp_hash__: 4bb41053-2596-2733-2332-40ea85995d12; LCSC: C2890036; Manufacturer: OPSCO; Partnumber: SK6805-EC20; atopile_address: led_grid.rows[7].leds[8].package; atopile_subaddresses: [.ato/modules/atopile/addressable-leds/layouts/default/default.kicad_pcb:package, layouts/grid10x10/grid10x10.kicad_pcb:rows[7].leds[8].package, layouts/strip10/strip10.kicad_pcb:leds[8].package]
LED80 = -: __atopile_lib_fp_hash__: 4bb41053-2596-2733-2332-40ea85995d12; LCSC: C2890036; Manufacturer: OPSCO; Partnumber: SK6805-EC20; atopile_address: led_grid.rows[7].leds[9].package; atopile_subaddresses: [.ato/modules/atopile/addressable-leds/layouts/default/default.kicad_pcb:package, layouts/grid10x10/grid10x10.kicad_pcb:rows[7].leds[9].package, layouts/strip10/strip10.kicad_pcb:leds[9].package]
LED81 = -: __atopile_lib_fp_hash__: 4bb41053-2596-2733-2332-40ea85995d12; LCSC: C2890036; Manufacturer: OPSCO; Partnumber: SK6805-EC20; atopile_address: led_grid.rows[8].leds[0].package; atopile_subaddresses: [.ato/modules/atopile/addressable-leds/layouts/default/default.kicad_pcb:package, layouts/grid10x10/grid10x10.kicad_pcb:rows[8].leds[0].package, layouts/strip10/strip10.kicad_pcb:leds[0].package]
LED82 = -: __atopile_lib_fp_hash__: 4bb41053-2596-2733-2332-40ea85995d12; LCSC: C2890036; Manufacturer: OPSCO; Partnumber: SK6805-EC20; atopile_address: led_grid.rows[8].leds[1].package; atopile_subaddresses: [.ato/modules/atopile/addressable-leds/layouts/default/default.kicad_pcb:package, layouts/grid10x10/grid10x10.kicad_pcb:rows[8].leds[1].package, layouts/strip10/strip10.kicad_pcb:leds[1].package]
LED83 = -: __atopile_lib_fp_hash__: 4bb41053-2596-2733-2332-40ea85995d12; LCSC: C2890036; Manufacturer: OPSCO; Partnumber: SK6805-EC20; atopile_address: led_grid.rows[8].leds[2].package; atopile_subaddresses: [.ato/modules/atopile/addressable-leds/layouts/default/default.kicad_pcb:package, layouts/grid10x10/grid10x10.kicad_pcb:rows[8].leds[2].package, layouts/strip10/strip10.kicad_pcb:leds[2].package]
LED84 = -: __atopile_lib_fp_hash__: 4bb41053-2596-2733-2332-40ea85995d12; LCSC: C2890036; Manufacturer: OPSCO; Partnumber: SK6805-EC20; atopile_address: led_grid.rows[8].leds[3].package; atopile_subaddresses: [.ato/modules/atopile/addressable-leds/layouts/default/default.kicad_pcb:package, layouts/grid10x10/grid10x10.kicad_pcb:rows[8].leds[3].package, layouts/strip10/strip10.kicad_pcb:leds[3].package]
LED85 = -: __atopile_lib_fp_hash__: 4bb41053-2596-2733-2332-40ea85995d12; LCSC: C2890036; Manufacturer: OPSCO; Partnumber: SK6805-EC20; atopile_address: led_grid.rows[8].leds[4].package; atopile_subaddresses: [.ato/modules/atopile/addressable-leds/layouts/default/default.kicad_pcb:package, layouts/grid10x10/grid10x10.kicad_pcb:rows[8].leds[4].package, layouts/strip10/strip10.kicad_pcb:leds[4].package]
LED86 = -: __atopile_lib_fp_hash__: 4bb41053-2596-2733-2332-40ea85995d12; LCSC: C2890036; Manufacturer: OPSCO; Partnumber: SK6805-EC20; atopile_address: led_grid.rows[8].leds[5].package; atopile_subaddresses: [.ato/modules/atopile/addressable-leds/layouts/default/default.kicad_pcb:package, layouts/grid10x10/grid10x10.kicad_pcb:rows[8].leds[5].package, layouts/strip10/strip10.kicad_pcb:leds[5].package]
LED87 = -: __atopile_lib_fp_hash__: 4bb41053-2596-2733-2332-40ea85995d12; LCSC: C2890036; Manufacturer: OPSCO; Partnumber: SK6805-EC20; atopile_address: led_grid.rows[8].leds[6].package; atopile_subaddresses: [.ato/modules/atopile/addressable-leds/layouts/default/default.kicad_pcb:package, layouts/grid10x10/grid10x10.kicad_pcb:rows[8].leds[6].package, layouts/strip10/strip10.kicad_pcb:leds[6].package]
LED88 = -: __atopile_lib_fp_hash__: 4bb41053-2596-2733-2332-40ea85995d12; LCSC: C2890036; Manufacturer: OPSCO; Partnumber: SK6805-EC20; atopile_address: led_grid.rows[8].leds[7].package; atopile_subaddresses: [.ato/modules/atopile/addressable-leds/layouts/default/default.kicad_pcb:package, layouts/grid10x10/grid10x10.kicad_pcb:rows[8].leds[7].package, layouts/strip10/strip10.kicad_pcb:leds[7].package]
LED89 = -: __atopile_lib_fp_hash__: 4bb41053-2596-2733-2332-40ea85995d12; LCSC: C2890036; Manufacturer: OPSCO; Partnumber: SK6805-EC20; atopile_address: led_grid.rows[8].leds[8].package; atopile_subaddresses: [.ato/modules/atopile/addressable-leds/layouts/default/default.kicad_pcb:package, layouts/grid10x10/grid10x10.kicad_pcb:rows[8].leds[8].package, layouts/strip10/strip10.kicad_pcb:leds[8].package]
LED90 = -: __atopile_lib_fp_hash__: 4bb41053-2596-2733-2332-40ea85995d12; LCSC: C2890036; Manufacturer: OPSCO; Partnumber: SK6805-EC20; atopile_address: led_grid.rows[8].leds[9].package; atopile_subaddresses: [.ato/modules/atopile/addressable-leds/layouts/default/default.kicad_pcb:package, layouts/grid10x10/grid10x10.kicad_pcb:rows[8].leds[9].package, layouts/strip10/strip10.kicad_pcb:leds[9].package]
LED91 = -: __atopile_lib_fp_hash__: 4bb41053-2596-2733-2332-40ea85995d12; LCSC: C2890036; Manufacturer: OPSCO; Partnumber: SK6805-EC20; atopile_address: led_grid.rows[9].leds[0].package; atopile_subaddresses: [.ato/modules/atopile/addressable-leds/layouts/default/default.kicad_pcb:package, layouts/grid10x10/grid10x10.kicad_pcb:rows[9].leds[0].package, layouts/strip10/strip10.kicad_pcb:leds[0].package]
LED92 = -: __atopile_lib_fp_hash__: 4bb41053-2596-2733-2332-40ea85995d12; LCSC: C2890036; Manufacturer: OPSCO; Partnumber: SK6805-EC20; atopile_address: led_grid.rows[9].leds[1].package; atopile_subaddresses: [.ato/modules/atopile/addressable-leds/layouts/default/default.kicad_pcb:package, layouts/grid10x10/grid10x10.kicad_pcb:rows[9].leds[1].package, layouts/strip10/strip10.kicad_pcb:leds[1].package]
LED93 = -: __atopile_lib_fp_hash__: 4bb41053-2596-2733-2332-40ea85995d12; LCSC: C2890036; Manufacturer: OPSCO; Partnumber: SK6805-EC20; atopile_address: led_grid.rows[9].leds[2].package; atopile_subaddresses: [.ato/modules/atopile/addressable-leds/layouts/default/default.kicad_pcb:package, layouts/grid10x10/grid10x10.kicad_pcb:rows[9].leds[2].package, layouts/strip10/strip10.kicad_pcb:leds[2].package]
LED94 = -: __atopile_lib_fp_hash__: 4bb41053-2596-2733-2332-40ea85995d12; LCSC: C2890036; Manufacturer: OPSCO; Partnumber: SK6805-EC20; atopile_address: led_grid.rows[9].leds[3].package; atopile_subaddresses: [.ato/modules/atopile/addressable-leds/layouts/default/default.kicad_pcb:package, layouts/grid10x10/grid10x10.kicad_pcb:rows[9].leds[3].package, layouts/strip10/strip10.kicad_pcb:leds[3].package]
LED95 = -: __atopile_lib_fp_hash__: 4bb41053-2596-2733-2332-40ea85995d12; LCSC: C2890036; Manufacturer: OPSCO; Partnumber: SK6805-EC20; atopile_address: led_grid.rows[9].leds[4].package; atopile_subaddresses: [.ato/modules/atopile/addressable-leds/layouts/default/default.kicad_pcb:package, layouts/grid10x10/grid10x10.kicad_pcb:rows[9].leds[4].package, layouts/strip10/strip10.kicad_pcb:leds[4].package]
LED96 = -: __atopile_lib_fp_hash__: 4bb41053-2596-2733-2332-40ea85995d12; LCSC: C2890036; Manufacturer: OPSCO; Partnumber: SK6805-EC20; atopile_address: led_grid.rows[9].leds[5].package; atopile_subaddresses: [.ato/modules/atopile/addressable-leds/layouts/default/default.kicad_pcb:package, layouts/grid10x10/grid10x10.kicad_pcb:rows[9].leds[5].package, layouts/strip10/strip10.kicad_pcb:leds[5].package]
LED97 = -: __atopile_lib_fp_hash__: 4bb41053-2596-2733-2332-40ea85995d12; LCSC: C2890036; Manufacturer: OPSCO; Partnumber: SK6805-EC20; atopile_address: led_grid.rows[9].leds[6].package; atopile_subaddresses: [.ato/modules/atopile/addressable-leds/layouts/default/default.kicad_pcb:package, layouts/grid10x10/grid10x10.kicad_pcb:rows[9].leds[6].package, layouts/strip10/strip10.kicad_pcb:leds[6].package]
LED98 = -: __atopile_lib_fp_hash__: 4bb41053-2596-2733-2332-40ea85995d12; LCSC: C2890036; Manufacturer: OPSCO; Partnumber: SK6805-EC20; atopile_address: led_grid.rows[9].leds[7].package; atopile_subaddresses: [.ato/modules/atopile/addressable-leds/layouts/default/default.kicad_pcb:package, layouts/grid10x10/grid10x10.kicad_pcb:rows[9].leds[7].package, layouts/strip10/strip10.kicad_pcb:leds[7].package]
LED99 = -: __atopile_lib_fp_hash__: 4bb41053-2596-2733-2332-40ea85995d12; LCSC: C2890036; Manufacturer: OPSCO; Partnumber: SK6805-EC20; atopile_address: led_grid.rows[9].leds[8].package; atopile_subaddresses: [.ato/modules/atopile/addressable-leds/layouts/default/default.kicad_pcb:package, layouts/grid10x10/grid10x10.kicad_pcb:rows[9].leds[8].package, layouts/strip10/strip10.kicad_pcb:leds[8].package]
LED100 = -: __atopile_lib_fp_hash__: 4bb41053-2596-2733-2332-40ea85995d12; LCSC: C2890036; Manufacturer: OPSCO; Partnumber: SK6805-EC20; atopile_address: led_grid.rows[9].leds[9].package; atopile_subaddresses: [.ato/modules/atopile/addressable-leds/layouts/default/default.kicad_pcb:package, layouts/grid10x10/grid10x10.kicad_pcb:rows[9].leds[9].package, layouts/strip10/strip10.kicad_pcb:leds[9].package]
LOGO1 = -: __atopile_lib_fp_hash__: 9faee514-571c-7ad2-0f5d-fe772cbb3daa; atopile_address: atopile_logo.logo; atopile_subaddresses: [.ato/modules/atopile/logos/layouts/atopile_logo_25x6mm/atopile_logo_25x6mm.kicad_pcb:logo]
R1 = -: Datasheet: https://www.lcsc.com/datasheet/lcsc_datasheet_2206010100_UNI-ROYAL-Uniroyal-Elec-0402WGF2003TCE_C25764.pdf; __atopile_lib_fp_hash__: a600db92-457d-8662-1e77-eeb080d68c2a; LCSC: C25764; Manufacturer: UNI-ROYAL(Uniroyal Elec); Partnumber: 0402WGF2003TCE; PARAM_max_power: {"type": "Quantity_Set_Discrete", "data": {"intervals": {"type": "Numeric_Interval_Disjoint", "data": {"intervals": [{"type": "Numeric_Interval", "data": {"min": 0.0625, "max": 0.0625}}]}}, "unit": "watt"}}; PARAM_max_voltage: {"type": "Quantity_Set_Discrete", "data": {"intervals": {"type": "Numeric_Interval_Disjoint", "data": {"intervals": [{"type": "Numeric_Interval", "data": {"min": 50.0, "max": 50.0}}]}}, "unit": "volt"}}; PARAM_resistance: {"type": "Quantity_Interval_Disjoint", "data": {"intervals": {"type": "Numeric_Interval_Disjoint", "data": {"intervals": [{"type": "Numeric_Interval", "data": {"min": 198000.00004470348, "max": 201999.99995529652}}]}}, "unit": "ohm"}}; atopile_address: buck_boost.feedback_divider.r_bottom; atopile_subaddresses: [.ato/modules/atopile/ti-tps63020/layouts/default/default.kicad_pcb:feedback_divider.r_bottom]
R2 = -: Datasheet: https://www.lcsc.com/datasheet/lcsc_datasheet_2206010030_UNI-ROYAL-Uniroyal-Elec-0402WGF1004TCE_C26083.pdf; __atopile_lib_fp_hash__: 66822f5d-8ea7-b663-9e41-b48aec67132d; LCSC: C26083; Manufacturer: UNI-ROYAL(Uniroyal Elec); Partnumber: 0402WGF1004TCE; PARAM_max_power: {"type": "Quantity_Set_Discrete", "data": {"intervals": {"type": "Numeric_Interval_Disjoint", "data": {"intervals": [{"type": "Numeric_Interval", "data": {"min": 0.0625, "max": 0.0625}}]}}, "unit": "watt"}}; PARAM_max_voltage: {"type": "Quantity_Set_Discrete", "data": {"intervals": {"type": "Numeric_Interval_Disjoint", "data": {"intervals": [{"type": "Numeric_Interval", "data": {"min": 50.0, "max": 50.0}}]}}, "unit": "volt"}}; PARAM_resistance: {"type": "Quantity_Interval_Disjoint", "data": {"intervals": {"type": "Numeric_Interval_Disjoint", "data": {"intervals": [{"type": "Numeric_Interval", "data": {"min": 990000.0002235174, "max": 1009999.9997764826}}]}}, "unit": "ohm"}}; atopile_address: buck_boost.feedback_divider.r_top; atopile_subaddresses: [.ato/modules/atopile/ti-tps63020/layouts/default/default.kicad_pcb:feedback_divider.r_top]
R3 = -: Datasheet: https://www.lcsc.com/datasheet/lcsc_datasheet_2206010030_UNI-ROYAL-Uniroyal-Elec-0402WGF1004TCE_C26083.pdf; __atopile_lib_fp_hash__: 66822f5d-8ea7-b663-9e41-b48aec67132d; LCSC: C26083; Manufacturer: UNI-ROYAL(Uniroyal Elec); Partnumber: 0402WGF1004TCE; PARAM_max_power: {"type": "Quantity_Set_Discrete", "data": {"intervals": {"type": "Numeric_Interval_Disjoint", "data": {"intervals": [{"type": "Numeric_Interval", "data": {"min": 0.0625, "max": 0.0625}}]}}, "unit": "watt"}}; PARAM_max_voltage: {"type": "Quantity_Set_Discrete", "data": {"intervals": {"type": "Numeric_Interval_Disjoint", "data": {"intervals": [{"type": "Numeric_Interval", "data": {"min": 50.0, "max": 50.0}}]}}, "unit": "volt"}}; PARAM_resistance: {"type": "Quantity_Interval_Disjoint", "data": {"intervals": {"type": "Numeric_Interval_Disjoint", "data": {"intervals": [{"type": "Numeric_Interval", "data": {"min": 990000.0002235174, "max": 1009999.9997764826}}]}}, "unit": "ohm"}}; atopile_address: buck_boost.power_good_resistor; atopile_subaddresses: [.ato/modules/atopile/ti-tps63020/layouts/default/default.kicad_pcb:power_good_resistor]
R4 = -: Datasheet: https://www.lcsc.com/datasheet/lcsc_datasheet_2206010230_UNI-ROYAL-Uniroyal-Elec-0402WGF2001TCE_C4109.pdf; __atopile_lib_fp_hash__: 8c59c973-edca-a02f-4dc6-f58c79f2685c; LCSC: C4109; Manufacturer: UNI-ROYAL(Uniroyal Elec); Partnumber: 0402WGF2001TCE; PARAM_max_power: {"type": "Quantity_Set_Discrete", "data": {"intervals": {"type": "Numeric_Interval_Disjoint", "data": {"intervals": [{"type": "Numeric_Interval", "data": {"min": 0.0625, "max": 0.0625}}]}}, "unit": "watt"}}; PARAM_max_voltage: {"type": "Quantity_Set_Discrete", "data": {"intervals": {"type": "Numeric_Interval_Disjoint", "data": {"intervals": [{"type": "Numeric_Interval", "data": {"min": 50.0, "max": 50.0}}]}}, "unit": "volt"}}; PARAM_resistance: {"type": "Quantity_Interval_Disjoint", "data": {"intervals": {"type": "Numeric_Interval_Disjoint", "data": {"intervals": [{"type": "Numeric_Interval", "data": {"min": 1980.0000004470348, "max": 2019.9999995529652}}]}}, "unit": "ohm"}}; atopile_address: charger.charge_current_resistor; atopile_subaddresses: [.ato/modules/atopile/ti-bq25185/layouts/default/default.kicad_pcb:charge_current_resistor]
